# KiCad board solderCurved.kicad_pcb (continued)
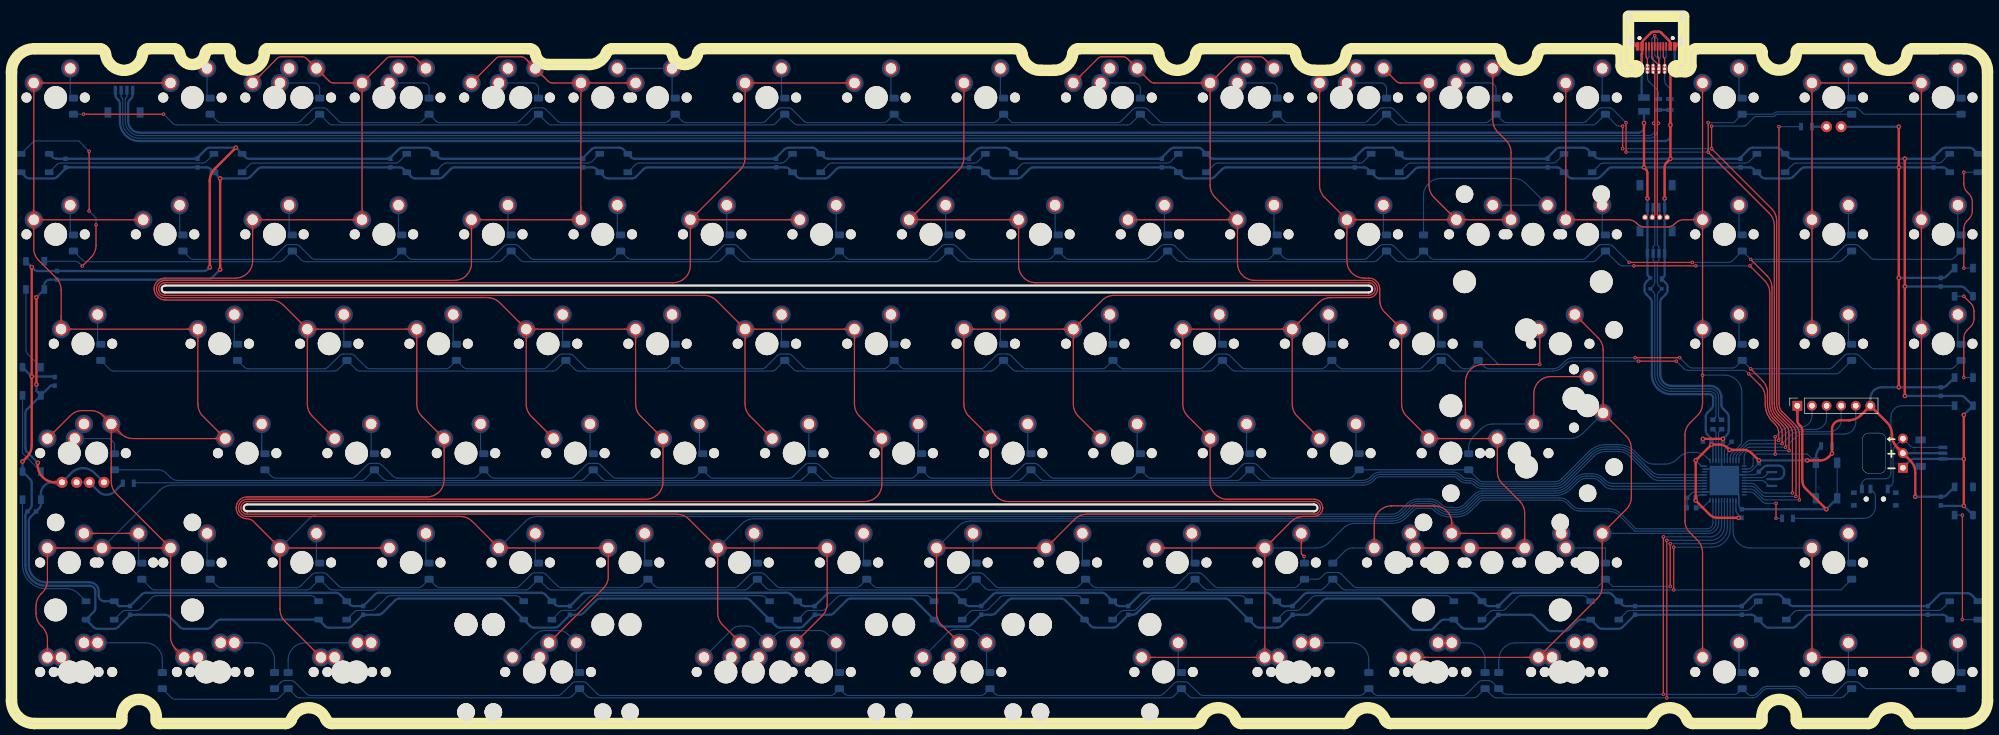
[diagram p0: board, top side]
## Routing (per net, layer and track width the routed paths; a pad name or vN(x,y) marks a point on that pad's centre or on a via; arc(x,y) is an arc through that point) (continued)
Col3: length 775.8
  Top w0.2: MX37.1 MX42.1 ; MX37.1 118.18,79.75 arc(117.3,77.63) 115.18,76.75 26.73,76.75 arc(25.95,76.43) 25.63,75.65 arc(25.95,74.87) 26.73,74.55 120.57,74.55 arc(121.72,74.32) 122.7,73.67 127.7,68.66 ; MX37.1 126.82,96.36 arc(127.47,97.33) 127.7,98.48 MX36.1 MX41.1 ; MX40.1 122.94,19.27 arc(123.17,18.12) 123.82,17.14 MX109.2 ; MX40.1 117.93,35.57 arc(116.96,36.22) 115.81,36.45 41.02,36.45 arc(40.24,36.77) 39.92,37.55 arc(40.24,38.33) 41.02,38.65 148.51,38.65 arc(150.64,39.53) 151.51,41.65 MX44.1 147.63,53.5 arc(146.98,54.47) 146.75,55.62 146.75,68.66 127.7,68.66 ; MX40.1 MX45.1 141.99,20.85 arc(141.76,19.71) 141.11,18.73 MX112.2 ; 127.7,68.66 127.7,55.62 arc(127.93,54.47) 128.58,53.5 MX39.1
  Bottom w0.2: MX40.1 127.15,34.77 arc(128.12,35.42) 129.27,35.65 240.32,35.65 arc(241.39,35.86) 242.3,36.47 243.59,37.76 arc(244.17,38.15) 244.86,38.29 246.91,38.29 arc(247.6,38.15) 248.18,37.76 248.34,37.61 arc(249.24,37) 250.31,36.79 251.53,36.79 arc(252.6,37) 253.51,37.61 255.24,39.34 arc(255.62,39.6) 256.08,39.69 268.68,39.69 arc(270.21,39.99) 271.51,40.86 272.75,42.1 arc(273.4,42.53) 274.17,42.69 275.15,42.69 arc(275.91,42.53) 276.56,42.1 277.26,41.4 arc(277.91,40.96) 278.68,40.81 U2.36 ; 137.23,11.51 MX46.1
Col4: length 536.6
  Top w0.2: 184.85,68.66 165.8,68.66 165.8,55.62 arc(166.03,54.47) 166.68,53.5 MX50.1 170.56,41.65 arc(171.44,39.53) 173.56,38.65 226.77,38.65 arc(227.55,38.33) 227.87,37.55 arc(227.55,36.77) 226.77,36.45 187.22,36.45 arc(186.07,36.22) 185.1,35.57 MX56.1 MX51.1 161.04,19.27 arc(161.27,18.12) 161.92,17.14 MX114.2 ; 184.85,68.66 184.85,55.62 arc(185.08,54.47) 185.73,53.5 MX55.1 ; 184.85,68.66 189.86,73.67 arc(190.83,74.32) 191.98,74.55 236.3,74.55 arc(237.07,74.87) 237.4,75.65 arc(237.07,76.43) 236.3,76.75 178.33,76.75 arc(176.21,77.63) 175.33,79.75 MX53.1 MX48.1 164.92,96.36 arc(165.57,97.33) 165.8,98.48 MX47.1
  Bottom w0.2: U2.32 296.2,34.9 arc(295.91,34.2) 295.2,33.9 282.77,33.9 280.17,36.51 arc(279.2,37.16) 278.05,37.39 273.13,37.39 arc(272.36,37.54) 271.71,37.97 270.98,38.7 arc(270.34,39.13) 269.57,39.29 256.08,39.29 arc(255.78,39.23) 255.52,39.05 253.79,37.32 arc(252.75,36.63) 251.53,36.39 250.31,36.39 arc(249.09,36.63) 248.05,37.32 247.9,37.48 arc(247.45,37.78) 246.91,37.89 244.86,37.89 arc(244.33,37.78) 243.87,37.48 242.58,36.19 arc(241.55,35.49) 240.32,35.25 166.97,35.25 arc(165.82,35.02) 164.85,34.37 MX51.1
Col5: length 390.5
  Top w0.2: MX57.1 198.92,111.53 arc(198.54,111.6) 198.21,111.82 MX52.2 194.23,115.8 arc(193.91,116.01) 193.53,116.09 189.83,116.09 arc(189.45,116.01) 189.12,115.8 MX104.1 ; MX57.1 208.66,93.72 arc(208.89,92.57) 209.54,91.6 MX63.1 ; MX57.1 212.93,115.8 arc(213.26,116.01) 213.64,116.09 217.34,116.09 arc(217.72,116.01) 218.05,115.8 MX105.2 ; MX66.1 MX61.1 ; MX66.1 MX72.1 196.76,11.51 MX115.1 ; MX66.1 222.8,35.17 arc(223.77,35.82) 224.92,36.05 226.77,36.05 arc(227.83,36.49) 228.27,37.55 arc(227.83,38.61) 226.77,39.05 211.66,39.05 arc(209.54,39.93) 208.66,42.05 MX60.1 204.78,53.5 arc(204.13,54.47) 203.9,55.62 203.9,68.66 222.95,68.66 ; MX63.1 213.43,80.15 arc(214.31,78.03) 216.43,77.15 236.3,77.15 arc(237.36,76.71) 237.8,75.65 arc(237.36,74.59) 236.3,74.15 229.68,74.15 arc(228.53,73.92) 227.56,73.27 222.95,68.66 ; MX63.1 MX58.1 ; 222.95,68.66 222.95,55.62 arc(223.18,54.47) 223.83,53.5 MX65.1
  Bottom w0.2: MX66.1 227.16,30.56 arc(228.31,30.79) 229.28,31.44 231.81,33.97 arc(232.78,34.62) 233.93,34.85 240.32,34.85 arc(241.7,35.12) 242.87,35.9 244.16,37.19 arc(244.48,37.41) 244.86,37.49 246.91,37.49 arc(247.29,37.41) 247.62,37.19 247.77,37.04 arc(248.94,36.26) 250.31,35.99 251.53,35.99 arc(252.9,36.26) 254.07,37.04 255.74,38.71 arc(255.94,38.84) 256.17,38.89 269.57,38.89 arc(270.18,38.77) 270.7,38.42 271.43,37.69 arc(272.21,37.17) 273.13,36.99 278.05,36.99 arc(279.04,36.79) 279.89,36.23 282.61,33.5 295.3,33.5 arc(296.29,33.91) 296.7,34.9 U2.31
Col6: length 349.7
  Top w0.2: MX117.1 265.81,11.51 MX83.1 276.05,21.75 arc(276.7,22.72) 276.93,23.87 MX78.2 281.11,37.29 arc(281.76,38.27) 281.99,39.41 281.99,47.91 arc(281.76,49.06) 281.11,50.03 MX81.2 277.09,65.04 arc(276.86,66.19) 276.21,67.16 MX80.2 ; MX106.2 241.07,111.82 arc(241.4,111.6) 241.78,111.53 MX67.1 246.76,93.72 arc(246.99,92.57) 247.64,91.6 MX74.1 ; MX68.1 MX74.1 ; MX68.1 228.59,91.6 arc(227.94,92.57) 227.71,93.72 MX62.1 ; MX68.1 232.48,80.55 arc(233.36,78.43) 235.48,77.55 236.3,77.55 arc(237.64,76.99) 238.2,75.65 238.2,73.71 arc(238.42,72.57) 239.07,71.59 242,68.66 242,55.62 arc(242.23,54.47) 242.88,53.5 MX76.1 258.67,49.61 MX77.1 258.67,43.86 arc(258.9,42.71) 259.55,41.73 262.55,38.73 arc(263.2,37.76) 263.43,36.61 MX119.1 MX71.1 MX70.1 ; MX74.1 MX75.1 261.05,99.43 arc(260.82,100.58) 260.17,101.55 258.76,102.97 arc(258.1,103.94) 257.88,105.09 MX107.2
  Bottom w0.2: MX77.1 271.4,49.61 arc(272.55,49.84) 273.52,50.49 MX81.2 ; U2.30 297.2,34.9 arc(296.67,33.63) 295.4,33.1 MX78.2
Col7: length 171.6
  Top w0.2: MX87.1 294.39,29.79 arc(294.16,30.94) 293.51,31.91 292.2,33.22 arc(291.55,34.19) 291.32,35.34 291.32,50.21 arc(291.55,51.35) 292.2,52.33 293.51,53.64 arc(294.16,54.61) 294.39,55.76 v1(294.39,60.65) MX85.1 ; MX85.1 291.12,87.71 arc(290.35,87.56) 289.7,87.13 289.6,87.03 arc(288.96,86.6) 288.19,86.44 284.41,86.44 arc(283.64,86.6) 282.99,87.03 282.89,87.13 arc(282.25,87.56) 281.48,87.71 MX82.1 MX73.1 ; MX85.1 MX84.1
  Bottom w0.2: U2.8 299.2,46.33 arc(299.28,46.71) 299.49,47.04 300.93,48.48 arc(301.15,48.8) 301.23,49.18 301.23,57.65 arc(300.35,59.77) 298.23,60.65 v1(294.39,60.65)
Col8: length 220.8
  Top w0.2: MX91.1 MX92.1 MX96.1 MX94.1 MX93.1 MX88.1 MX89.1 313.44,68.66
  Bottom w0.2: MX91.1 302.7,30.56 arc(300.58,31.44) 299.7,33.56 U2.25
D+: length 5.7
  Bottom w0.2: U2.4 297.17,45.77 297.17,50.71 R4.1
D-: length 5.7
  Bottom w0.2: U2.3 296.72,45.77 296.72,50.71 R5.1
DG+: length 362.3
  Top w0.2: J5.3 286.52,88.55 286.52,104.32 v1(286.72,104.52) 286.52,104.72 286.52,113.11 J8.4 ; USB2.8 285.56,115.92 arc(285.58,115.83) 285.63,115.75 J8.4 286.79,115.79 arc(286.77,115.89) 286.72,115.97 286.63,116.06 arc(286.58,116.14) 286.56,116.23 USB2.6
  Bottom w0.2: 286.79,115.6 286.13,116.26 arc(286.08,116.34) 286.06,116.43 USB1.6 ; 286.79,115.6 J8.4 ; 286.79,115.6 286.99,115.79 arc(287.04,115.87) 287.06,115.97 USB1.8 ; 286.93,89.73 J5.3 286.52,87.73 286.52,83.3 286.79,83.02 J1.3 286.79,80.7 286.52,80.42 286.52,76.88 arc(286.59,76.49) 286.81,76.17 U3.2 286.81,75.2 arc(286.59,74.88) 286.52,74.5 286.52,60.79 arc(287.25,59.02) 289.02,58.29 295.67,58.29 arc(296.73,57.85) 297.17,56.79 297.17,53.41 R4.2 ; J9.3 19.09,109.2 arc(19.11,109.11) 19.17,109.03 19.29,108.9 arc(19.35,108.82) 19.37,108.72 19.37,104.82 arc(20.22,102.77) 22.27,101.92 285.12,101.92 arc(286.11,102.33) 286.52,103.32 286.52,104.32 v1(286.72,104.52)
DG-: length 357
  Top w0.2: J5.2 286.07,88.55 286.07,104.32 v1(285.87,104.52) 286.07,104.72 286.07,113.11 J8.3 ; USB2.7 v1(286.06,119.75)
  Bottom w0.2: J9.2 20.09,109.2 arc(20.07,109.11) 20.02,109.03 19.89,108.9 arc(19.84,108.82) 19.82,108.72 19.82,104.87 arc(20.55,103.1) 22.32,102.37 285.07,102.37 arc(285.78,102.66) 286.07,103.37 286.07,104.32 v1(285.87,104.52) ; J8.3 285.79,115.93 arc(285.77,116.02) 285.72,116.1 285.63,116.19 arc(285.58,116.27) 285.56,116.37 USB1.5 285.56,119.14 arc(285.58,119.24) 285.63,119.32 v1(286.06,119.75) 286.49,119.32 arc(286.54,119.24) 286.56,119.14 USB1.7 ; R5.2 296.72,53.41 296.72,56.74 arc(296.4,57.51) 295.62,57.84 288.97,57.84 arc(286.92,58.69) 286.07,60.74 286.07,74.5 arc(285.99,74.88) 285.78,75.2 U3.3 285.78,76.17 arc(285.99,76.49) 286.07,76.88 286.07,80.42 285.79,80.7 J1.2 285.79,83.02 286.07,83.3 286.07,87.73 J5.2 285.66,89.73
indicator1: length 80.4
  Top w0.2: v1(311.25,38.93) 311.25,50.46 arc(311.09,51.23) 310.66,51.88 308.28,54.26 arc(307.84,54.91) 307.69,55.68 v1(307.69,103.93)
  Bottom w0.2: v1(311.25,38.93) 305.47,38.93 arc(305.09,39.01) 304.76,39.23 303.47,40.52 arc(303.14,40.74) 302.76,40.81 U2.20 ; v1(307.69,103.93) R2.2
indicator2: length 278.8
  Bottom w0.2: U2.40 286.87,42.81 arc(286.1,42.96) 285.45,43.4 282.09,46.77 arc(280.98,47.5) 279.68,47.76 277.56,47.76 arc(276.26,47.5) 275.15,46.77 270.38,41.99 arc(269.6,41.47) 268.68,41.29 256.17,41.29 arc(255.49,41.42) 254.9,41.81 254.84,41.88 arc(254.39,42.18) 253.85,42.29 253.26,42.29 arc(252.73,42.39) 252.27,42.7 252.01,42.96 arc(251.55,43.27) 251.02,43.37 238.28,43.37 arc(237.67,43.25) 237.15,42.91 236.86,42.61 arc(236.08,42.09) 235.16,41.91 21.29,41.91
LedBar: length 17.3
  Bottom w0.2: 336.23,48.07 331.23,48.07 arc(330.85,48.15) 330.52,48.37 J4.3 327.87,48.21 arc(327.66,47.89) 327.58,47.51 327.58,42.21 arc(327.5,41.82) 327.29,41.5 SW2.1
MISO: length 382.2
  Top w0.2: v1(302.63,79.69) 305.21,77.1 arc(305.86,76.13) 306.09,74.98 306.09,55.68 arc(306.36,54.3) 307.15,53.13 308.26,52.01 arc(308.69,51.37) 308.85,50.6 v1(308.85,48.11) ; v1(282.43,79.69) v1(293.23,79.69)
  Bottom w0.2: U2.11 300.7,46.13 arc(300.78,46.51) 300.99,46.84 301.97,47.82 arc(302.3,48.04) 302.68,48.11 v1(308.85,48.11) 310.55,49.81 arc(311.2,50.25) 311.96,50.4 319.06,50.4 arc(320.47,50.99) 321.06,52.4 J10.5 ; D83.1 318.78,80.7 arc(318.45,80.49) 318.07,80.41 303.76,80.41 arc(303.38,80.34) 303.05,80.12 v1(302.63,79.69) v1(293.23,79.69) ; D2.1 12.36,80.7 arc(12.68,80.49) 13.06,80.41 46.61,80.41 arc(46.99,80.49) 47.32,80.7 D14.1 50.46,80.7 arc(50.78,80.49) 51.16,80.41 84.71,80.41 arc(85.09,80.49) 85.42,80.7 D25.1 88.56,80.7 arc(88.88,80.49) 89.26,80.41 122.81,80.41 arc(123.19,80.49) 123.52,80.7 D35.1 126.66,80.7 arc(126.98,80.49) 127.36,80.41 160.91,80.41 arc(161.29,80.49) 161.62,80.7 D46.1 164.76,80.7 arc(165.08,80.49) 165.46,80.41 199.01,80.41 arc(199.39,80.49) 199.72,80.7 D56.1 202.86,80.7 arc(203.18,80.49) 203.56,80.41 237.11,80.41 arc(237.49,80.49) 237.82,80.7 D66.1 240.96,80.7 arc(241.28,80.49) 241.66,80.41 275.21,80.41 arc(275.59,80.49) 275.92,80.7 D76.1 279.78,79.98 arc(280.1,79.77) 280.48,79.69 v1(282.43,79.69)
MOSI: length 363.4
  Top w0.2: v1(302.76,61.76) 304.81,59.71 arc(305.46,58.74) 305.69,57.59 305.69,55.68 arc(306,54.15) 306.86,52.85 307.66,52.05 arc(308.09,51.4) 308.25,50.63 v1(308.25,48.71) ; v1(282.66,63.69) v1(290.43,63.69)
  Bottom w0.2: D89.1 338.23,62.05 arc(337.9,61.84) 337.52,61.76 324.35,61.76 arc(323.97,61.84) 323.65,62.05 321.66,64.05 arc(321.33,64.26) 320.95,64.34 319.75,64.34 arc(319.36,64.26) 319.04,64.05 317.05,62.05 arc(316.72,61.84) 316.34,61.76 v1(302.76,61.76) D80.1 300.26,62.18 arc(299.93,61.97) 299.55,61.89 292.64,61.89 arc(292.26,61.97) 291.93,62.18 v1(290.43,63.69) ; J10.4 318.52,52.8 arc(317.93,51.39) 316.52,50.8 311.16,50.8 arc(310.4,50.65) 309.75,50.21 v1(308.25,48.71) 302.71,48.71 arc(302.33,48.64) 302.01,48.42 300.49,46.9 arc(300.28,46.58) 300.2,46.2 U2.10 ; D9.1 40.53,62.05 arc(40.85,61.84) 41.24,61.76 54.4,61.76 arc(54.79,61.84) 55.11,62.05 57.1,64.05 arc(57.43,64.26) 57.81,64.34 59.01,64.34 arc(59.39,64.26) 59.72,64.05 61.71,62.05 arc(62.03,61.84) 62.42,61.76 75.58,61.76 arc(75.97,61.84) 76.29,62.05 D21.1 78.63,62.05 arc(78.95,61.84) 79.34,61.76 92.5,61.76 arc(92.89,61.84) 93.21,62.05 95.2,64.05 arc(95.53,64.26) 95.91,64.34 97.11,64.34 arc(97.49,64.26) 97.82,64.05 99.81,62.05 arc(100.13,61.84) 100.52,61.76 113.68,61.76 arc(114.07,61.84) 114.39,62.05 D31.1 116.73,62.05 arc(117.05,61.84) 117.44,61.76 130.6,61.76 arc(130.99,61.84) 131.31,62.05 133.3,64.05 arc(133.63,64.26) 134.01,64.34 135.21,64.34 arc(135.59,64.26) 135.92,64.05 137.91,62.05 arc(138.23,61.84) 138.62,61.76 151.78,61.76 arc(152.17,61.84) 152.49,62.05 D41.1 154.83,62.05 arc(155.15,61.84) 155.54,61.76 168.7,61.76 arc(169.09,61.84) 169.41,62.05 171.4,64.05 arc(171.73,64.26) 172.11,64.34 173.31,64.34 arc(173.69,64.26) 174.02,64.05 176.01,62.05 arc(176.33,61.84) 176.72,61.76 189.88,61.76 arc(190.27,61.84) 190.59,62.05 D52.1 192.93,62.05 arc(193.25,61.84) 193.64,61.76 206.8,61.76 arc(207.19,61.84) 207.51,62.05 209.5,64.05 arc(209.83,64.26) 210.21,64.34 211.41,64.34 arc(211.79,64.26) 212.12,64.05 214.11,62.05 arc(214.43,61.84) 214.82,61.76 227.98,61.76 arc(228.37,61.84) 228.69,62.05 D62.1 231.03,62.05 arc(231.35,61.84) 231.74,61.76 244.9,61.76 arc(245.29,61.84) 245.61,62.05 247.6,64.05 arc(247.93,64.26) 248.31,64.34 249.51,64.34 arc(249.89,64.26) 250.22,64.05 252.21,62.05 arc(252.53,61.84) 252.92,61.76 253.46,61.76 arc(253.84,61.84) 254.17,62.05 D72.1 256.51,62.05 arc(256.83,61.84) 257.21,61.76 268.3,61.76 arc(269.07,61.91) 269.72,62.35 270.47,63.1 arc(271.12,63.54) 271.89,63.69 v1(282.66,63.69)
R0: length 403.8
  Top w0.2: v1(310.65,39.53) 310.65,50.5 arc(310.49,51.26) 310.06,51.91 307.99,53.98 arc(307.47,54.76) 307.29,55.68 307.29,87.52 arc(307.06,88.66) 306.41,89.64 v1(295.96,100.08) v1(295.96,104.02) ; v1(12.54,106.09) v1(26.49,106.09) ; v1(280.48,104.02) v1(280.48,100.08)
  Bottom w0.2: v1(280.48,100.08) v1(295.96,100.08) ; v1(280.48,104.02) 279.76,104.02 arc(279.56,104.06) 279.4,104.17 D70.1 275.92,104.52 arc(275.59,104.3) 275.21,104.22 241.66,104.22 arc(241.28,104.3) 240.96,104.52 D60.1 237.82,104.52 arc(237.49,104.3) 237.11,104.22 198.8,104.22 arc(198.42,104.3) 198.09,104.52 D50.1 194.95,104.52 arc(194.63,104.3) 194.25,104.22 136.89,104.22 arc(136.5,104.3) 136.18,104.52 D34.1 133.04,104.52 arc(132.72,104.3) 132.33,104.22 94.02,104.22 arc(93.64,104.3) 93.32,104.52 D24.1 90.18,104.52 arc(89.85,104.3) 89.47,104.22 55.92,104.22 arc(55.54,104.3) 55.22,104.52 D13.1 52.08,104.52 arc(51.75,104.3) 51.37,104.22 28.76,104.22 arc(28.38,104.3) 28.06,104.52 v1(26.49,106.09) ; D82.1 307.48,106.09 arc(307.29,106.05) 307.13,105.94 307.02,105.83 arc(306.86,105.73) 306.67,105.69 303.71,105.69 arc(303.51,105.65) 303.35,105.54 301.98,104.17 arc(301.82,104.06) 301.63,104.02 v1(295.96,104.02) ; v1(310.65,39.53) 305.44,39.53 arc(305.05,39.61) 304.73,39.83 303.53,41.02 arc(303.21,41.24) 302.83,41.31 U2.19 ; D1.1 v1(12.54,106.09)
R1: length 409.8
  Top w0.2: v1(295.36,104.62) v1(295.36,99.48) 306.01,88.84 arc(306.66,87.86) 306.89,86.72 306.89,55.68 arc(307.1,54.6) 307.71,53.7 309.46,51.95 arc(309.89,51.3) 310.05,50.53 v1(310.05,40.13) ; v1(281.08,104.62) v1(281.08,99.48)
  Bottom w0.2: v1(281.08,104.62) 278.79,106.91 arc(278.47,107.12) 278.09,107.2 276.88,107.2 arc(276.5,107.12) 276.18,106.91 274.19,104.92 arc(273.86,104.7) 273.48,104.62 260.31,104.62 arc(259.93,104.7) 259.61,104.92 D65.1 257.27,104.92 arc(256.94,104.7) 256.56,104.62 243.39,104.62 arc(243.01,104.7) 242.68,104.92 240.69,106.91 arc(240.37,107.12) 239.99,107.2 238.78,107.2 arc(238.4,107.12) 238.08,106.91 236.09,104.92 arc(235.76,104.7) 235.38,104.62 222.21,104.62 arc(221.83,104.7) 221.51,104.92 D55.1 219.17,104.92 arc(218.84,104.7) 218.46,104.62 200.53,104.62 arc(200.15,104.7) 199.82,104.92 197.83,106.91 arc(197.51,107.12) 197.12,107.2 195.92,107.2 arc(195.54,107.12) 195.21,106.91 193.22,104.92 arc(192.9,104.7) 192.52,104.62 174.17,104.62 D45.1 171.54,104.92 arc(171.22,104.7) 170.83,104.62 155.54,104.62 arc(155.15,104.7) 154.83,104.92 D39.1 152.49,104.92 arc(152.17,104.7) 151.78,104.62 138.62,104.62 arc(138.23,104.7) 137.91,104.92 135.92,106.91 arc(135.59,107.12) 135.21,107.2 134.01,107.2 arc(133.63,107.12) 133.3,106.91 131.31,104.92 arc(130.99,104.7) 130.6,104.62 117.44,104.62 arc(117.05,104.7) 116.73,104.92 D29.1 114.39,104.92 arc(114.07,104.7) 113.68,104.62 95.75,104.62 arc(95.37,104.7) 95.05,104.92 93.06,106.91 arc(92.73,107.12) 92.35,107.2 91.15,107.2 arc(90.76,107.12) 90.44,106.91 88.45,104.92 arc(88.12,104.7) 87.74,104.62 74.57,104.62 arc(74.19,104.7) 73.87,104.92 D19.1 71.53,104.92 arc(71.2,104.7) 70.82,104.62 57.65,104.62 arc(57.27,104.7) 56.95,104.92 54.96,106.91 arc(54.63,107.12) 54.25,107.2 53.05,107.2 arc(52.66,107.12) 52.34,106.91 50.35,104.92 arc(50.02,104.7) 49.64,104.62 36.47,104.62 arc(36.09,104.7) 35.77,104.92 D7.1 ; v1(295.36,104.62) 299.63,104.62 arc(299.82,104.66) 299.98,104.77 D78.1 306.5,106.09 arc(306.69,106.13) 306.85,106.23 306.96,106.34 arc(307.12,106.45) 307.32,106.49 318.41,106.49 arc(318.6,106.53) 318.77,106.63 319.19,107.05 arc(319.35,107.16) 319.54,107.2 321.16,107.2 arc(321.35,107.16) 321.51,107.05 322.33,106.23 arc(322.49,106.13) 322.68,106.09 D87.1 ; v1(295.36,99.48) v1(281.08,99.48) ; v1(310.05,40.13) 305.4,40.13 arc(305.02,40.21) 304.69,40.43 303.6,41.52 arc(303.28,41.74) 302.89,41.81 U2.18
R3: length 380.6
  Top w0.2: v1(309.45,47.51) 309.45,50.57 arc(309.29,51.33) 308.86,51.98 307.43,53.41 arc(306.73,54.45) 306.49,55.68 306.49,75.84 arc(306.26,76.99) 305.61,77.96 v1(302.76,80.81) ; v1(292.63,80.29) v1(281.6,80.29)
  Bottom w0.2: D8.1 31.01,81.1 arc(31.33,80.89) 31.71,80.81 44.88,80.81 arc(45.26,80.89) 45.59,81.1 47.58,83.1 arc(47.9,83.31) 48.28,83.39 49.49,83.39 arc(49.87,83.31) 50.19,83.1 52.18,81.1 arc(52.51,80.89) 52.89,80.81 66.06,80.81 arc(66.44,80.89) 66.77,81.1 D20.1 69.11,81.1 arc(69.43,80.89) 69.81,80.81 82.98,80.81 arc(83.36,80.89) 83.69,81.1 85.68,83.1 arc(86,83.31) 86.38,83.39 87.59,83.39 arc(87.97,83.31) 88.29,83.1 90.28,81.1 arc(90.61,80.89) 90.99,80.81 104.16,80.81 arc(104.54,80.89) 104.87,81.1 D30.1 107.21,81.1 arc(107.53,80.89) 107.91,80.81 121.08,80.81 arc(121.46,80.89) 121.79,81.1 123.78,83.1 arc(124.1,83.31) 124.48,83.39 125.69,83.39 arc(126.07,83.31) 126.39,83.1 128.38,81.1 arc(128.71,80.89) 129.09,80.81 142.26,80.81 arc(142.64,80.89) 142.97,81.1 D40.1 145.31,81.1 arc(145.63,80.89) 146.01,80.81 159.18,80.81 arc(159.56,80.89) 159.89,81.1 161.88,83.1 arc(162.2,83.31) 162.58,83.39 163.79,83.39 arc(164.17,83.31) 164.49,83.1 166.48,81.1 arc(166.81,80.89) 167.19,80.81 180.36,80.81 arc(180.74,80.89) 181.07,81.1 D51.1 183.41,81.1 arc(183.73,80.89) 184.11,80.81 197.28,80.81 arc(197.66,80.89) 197.99,81.1 199.98,83.1 arc(200.3,83.31) 200.68,83.39 201.89,83.39 arc(202.27,83.31) 202.59,83.1 204.58,81.1 arc(204.91,80.89) 205.29,80.81 218.46,80.81 arc(218.84,80.89) 219.17,81.1 D61.1 221.51,81.1 arc(221.83,80.89) 222.21,80.81 235.38,80.81 arc(235.76,80.89) 236.09,81.1 238.08,83.1 arc(238.4,83.31) 238.78,83.39 239.99,83.39 arc(240.37,83.31) 240.69,83.1 242.68,81.1 arc(243.01,80.89) 243.39,80.81 243.93,80.81 arc(244.32,80.89) 244.64,81.1 D71.1 246.98,81.1 arc(247.31,80.89) 247.69,80.81 273.45,80.81 arc(273.83,80.89) 274.16,81.1 276.16,83.11 arc(276.49,83.33) 276.87,83.4 278.07,83.4 arc(278.46,83.33) 278.78,83.11 v1(281.6,80.29) ; D88.1 338.23,81.1 arc(337.9,80.89) 337.52,80.81 324.35,80.81 arc(323.97,80.89) 323.65,81.1 321.66,83.1 arc(321.33,83.31) 320.95,83.39 319.75,83.39 arc(319.36,83.31) 319.04,83.1 317.05,81.1 arc(316.72,80.89) 316.34,80.81 v1(302.76,80.81) D79.1 299.61,80.58 arc(299.28,80.37) 298.9,80.29 v1(292.63,80.29) ; v1(309.45,47.51) 302.65,47.51 arc(302.26,47.44) 301.94,47.22 301.93,47.21 arc(301.71,46.89) 301.64,46.5 U2.12
R6: length 289.9
  Bottom w0.2: D4.1 25.51,44.17 arc(26.27,44.02) 26.92,43.59 27.61,42.9 arc(28.26,42.46) 29.03,42.31 60.9,42.31 arc(61.28,42.39) 61.6,42.6 D16.1 64.74,42.6 arc(65.07,42.39) 65.45,42.31 99,42.31 arc(99.38,42.39) 99.7,42.6 D27.1 102.84,42.6 arc(103.17,42.39) 103.55,42.31 137.1,42.31 arc(137.48,42.39) 137.8,42.6 D37.1 140.94,42.6 arc(141.27,42.39) 141.65,42.31 175.2,42.31 arc(175.58,42.39) 175.9,42.6 D48.1 179.04,42.6 arc(179.37,42.39) 179.75,42.31 213.3,42.31 arc(213.68,42.39) 214,42.6 D58.1 217.14,42.6 arc(217.47,42.39) 217.85,42.31 235.16,42.31 arc(235.93,42.46) 236.58,42.9 236.87,43.19 arc(237.52,43.62) 238.28,43.77 251.02,43.77 arc(251.7,43.64) 252.29,43.25 252.56,42.98 arc(252.88,42.76) 253.26,42.69 253.85,42.69 arc(254.54,42.55) 255.12,42.16 255.18,42.1 arc(255.64,41.79) 256.17,41.69 268.68,41.69 arc(269.45,41.84) 270.09,42.27 274.87,47.05 arc(276.1,47.87) 277.56,48.16 279.68,48.16 arc(281.14,47.87) 282.37,47.05 285.52,43.9 arc(286.17,43.46) 286.93,43.31 U2.41
R7: length 272.4
  Bottom w0.2: D10.1 45.29,43 arc(45.62,42.79) 46,42.71 59.17,42.71 arc(59.55,42.79) 59.87,43 61.86,45 arc(62.19,45.21) 62.57,45.29 63.77,45.29 arc(64.16,45.21) 64.48,45 66.47,43 arc(66.8,42.79) 67.18,42.71 80.35,42.71 arc(80.73,42.79) 81.05,43 D22.1 83.39,43 arc(83.72,42.79) 84.1,42.71 97.27,42.71 arc(97.65,42.79) 97.97,43 99.96,45 arc(100.29,45.21) 100.67,45.29 101.87,45.29 arc(102.26,45.21) 102.58,45 104.57,43 arc(104.9,42.79) 105.28,42.71 118.45,42.71 arc(118.83,42.79) 119.15,43 D32.1 121.49,43 arc(121.82,42.79) 122.2,42.71 135.37,42.71 arc(135.75,42.79) 136.07,43 138.06,45 arc(138.39,45.21) 138.77,45.29 139.97,45.29 arc(140.36,45.21) 140.68,45 142.67,43 arc(143,42.79) 143.38,42.71 156.55,42.71 arc(156.93,42.79) 157.25,43 D42.1 159.59,43 arc(159.92,42.79) 160.3,42.71 173.47,42.71 arc(173.85,42.79) 174.17,43 176.16,45 arc(176.49,45.21) 176.87,45.29 178.07,45.29 arc(178.46,45.21) 178.78,45 180.77,43 arc(181.1,42.79) 181.48,42.71 194.65,42.71 arc(195.03,42.79) 195.35,43 D53.1 197.69,43 arc(198.02,42.79) 198.4,42.71 211.57,42.71 arc(211.95,42.79) 212.27,43 214.26,45 arc(214.59,45.21) 214.97,45.29 216.17,45.29 arc(216.56,45.21) 216.88,45 218.87,43 arc(219.2,42.79) 219.58,42.71 232.75,42.71 arc(233.13,42.79) 233.45,43 D63.1 D73.1 255.47,42.38 arc(255.79,42.16) 256.17,42.09 268.68,42.09 arc(269.29,42.21) 269.81,42.56 274.59,47.33 arc(275.95,48.24) 277.56,48.56 279.68,48.56 arc(281.29,48.24) 282.65,47.33 283.94,46.04 arc(284.92,45.39) 286.06,45.16 287.84,45.16 arc(288.98,45.39) 289.96,46.04 290.25,46.33 arc(291.22,46.98) 292.37,47.21 292.99,47.21 arc(294.14,46.98) 295.12,46.33 U2.1
R8: length 332
  Top w0.2: v1(289.37,30.7) v1(289.37,23.26)
  Bottom w0.2: D85.1 318.49,23.26 v1(289.37,23.26) 232.3,23.26 arc(231.92,23.34) 231.6,23.55 D68.1 228.46,23.55 arc(228.13,23.34) 227.75,23.26 208.32,23.26 arc(207.94,23.34) 207.62,23.55 D59.1 204.48,23.55 arc(204.15,23.34) 203.77,23.26 170.22,23.26 arc(169.84,23.34) 169.52,23.55 D49.1 166.38,23.55 arc(166.05,23.34) 165.67,23.26 132.12,23.26 arc(131.74,23.34) 131.42,23.55 D38.1 128.28,23.55 arc(127.95,23.34) 127.57,23.26 94.02,23.26 arc(93.64,23.34) 93.32,23.55 D28.1 90.18,23.55 arc(89.85,23.34) 89.47,23.26 55.92,23.26 arc(55.54,23.34) 55.22,23.55 D17.1 52.08,23.55 arc(51.75,23.34) 51.37,23.26 24.97,23.26 arc(24.59,23.34) 24.26,23.55 D5.1 ; v1(289.37,30.7) 296,30.7 arc(298.26,31.64) 299.2,33.9 U2.26
R9: length 295.9
  Top w0.2: v1(288.77,31.3) 288.77,23.8
  Bottom w0.2: v1(288.77,31.3) 295.9,31.3 arc(297.88,32.12) 298.7,34.1 U2.27 ; v1(288.77,23.86) 278.75,23.86 D74.1 276.02,23.66 234.27,23.66 arc(233.89,23.74) 233.56,23.95 231.52,26 arc(231.19,26.21) 230.81,26.29 229.24,26.29 arc(228.86,26.21) 228.53,26 227.95,25.42 arc(227.63,25.2) 227.25,25.12 D64.1 223.93,23.95 arc(223.6,23.74) 223.22,23.66 210.05,23.66 arc(209.67,23.74) 209.35,23.95 207.36,25.95 arc(207.03,26.16) 206.65,26.24 205.45,26.24 arc(205.06,26.16) 204.74,25.95 202.75,23.95 arc(202.42,23.74) 202.04,23.66 188.87,23.66 arc(188.49,23.74) 188.17,23.95 D54.1 185.83,23.95 arc(185.5,23.74) 185.12,23.66 171.95,23.66 arc(171.57,23.74) 171.25,23.95 169.26,25.95 arc(168.93,26.16) 168.55,26.24 167.35,26.24 arc(166.96,26.16) 166.64,25.95 164.65,23.95 arc(164.32,23.74) 163.94,23.66 150.77,23.66 arc(150.39,23.74) 150.07,23.95 D43.1 147.73,23.95 arc(147.4,23.74) 147.02,23.66 133.85,23.66 arc(133.47,23.74) 133.15,23.95 131.16,25.95 arc(130.83,26.16) 130.45,26.24 129.25,26.24 arc(128.86,26.16) 128.54,25.95 126.55,23.95 arc(126.22,23.74) 125.84,23.66 112.67,23.66 arc(112.29,23.74) 111.97,23.95 D33.1 109.63,23.95 arc(109.3,23.74) 108.92,23.66 95.75,23.66 arc(95.37,23.74) 95.05,23.95 93.06,25.95 arc(92.73,26.16) 92.35,26.24 91.15,26.24 arc(90.76,26.16) 90.44,25.95 88.45,23.95 arc(88.12,23.74) 87.74,23.66 74.57,23.66 arc(74.19,23.74) 73.87,23.95 D23.1 71.53,23.95 arc(71.2,23.74) 70.82,23.66 57.65,23.66 arc(57.27,23.74) 56.95,23.95 54.96,25.95 arc(54.63,26.16) 54.25,26.24 53.05,26.24 arc(52.66,26.16) 52.34,25.95 50.35,23.95 arc(50.02,23.74) 49.64,23.66 36.47,23.66 arc(36.09,23.74) 35.77,23.95 D11.1
R10: length 344.6
  Top w0.2: v1(288.17,31.9) v1(288.17,4.47)
  Bottom w0.2: 26.26,6.07 27.83,4.5 arc(28.16,4.29) 28.54,4.21 45.89,4.21 arc(46.27,4.29) 46.6,4.5 48.17,6.07 49.47,4.77 arc(49.8,4.55) 50.18,4.47 96.88,4.47 arc(97.26,4.55) 97.58,4.77 D92.1 100.2,4.77 arc(100.52,4.55) 100.91,4.47 201.65,4.47 arc(202.03,4.55) 202.36,4.77 202.96,5.37 arc(203.66,5.66) 204.37,5.37 204.97,4.77 arc(205.3,4.55) 205.68,4.47 254.51,4.47 arc(254.9,4.55) 255.22,4.77 256.53,6.07 257.83,4.77 arc(258.16,4.55) 258.54,4.47 v1(288.17,4.47) 303.08,4.47 arc(303.62,4.58) 304.07,4.88 304.97,5.78 arc(305.3,6) 305.68,6.07 310.45,6.07 arc(310.83,6) 311.16,5.78 312.46,4.47 318.33,4.47 arc(318.72,4.55) 319.04,4.77 320.35,6.07 ; v1(288.17,31.9) 295.8,31.9 arc(297.5,32.61) 298.2,34.3 U2.28
R11: length 349.8
  Top w0.2: v1(287.57,5.07) v1(287.57,32.5)
  Bottom w0.2: 45.79,6.07 46.89,7.18 arc(47.22,7.4) 47.6,7.47 48.65,7.47 arc(49.03,7.4) 49.36,7.18 51.37,5.17 arc(51.7,4.95) 52.08,4.87 95.05,4.87 arc(95.43,4.95) 95.76,5.17 97.57,6.98 arc(97.9,7.2) 98.28,7.27 99.45,7.27 arc(99.83,7.2) 100.16,6.98 101.97,5.17 arc(102.3,4.95) 102.68,4.87 142.52,4.87 arc(142.9,4.95) 143.23,5.17 144.14,6.07 145.04,5.17 arc(145.37,4.95) 145.75,4.87 168.72,4.87 arc(169.1,4.95) 169.42,5.17 D93.1 171.24,5.17 arc(171.56,4.95) 171.94,4.87 199.85,4.87 arc(200.23,4.95) 200.56,5.17 202.37,6.98 arc(202.7,7.2) 203.08,7.27 204.25,7.27 arc(204.63,7.2) 204.96,6.98 206.77,5.17 arc(207.1,4.95) 207.48,4.87 234.67,4.87 arc(235.06,4.95) 235.38,5.17 236.29,6.07 237.19,5.17 arc(237.52,4.95) 237.9,4.87 252.65,4.87 arc(253.03,4.95) 253.36,5.17 255.37,7.18 arc(255.7,7.4) 256.08,7.47 257.09,7.47 arc(257.48,7.4) 257.8,7.18 259.62,5.37 arc(259.94,5.15) 260.32,5.07 v1(287.57,5.07) 299.88,5.07 arc(300.27,5.15) 300.59,5.37 301.3,6.07 302.21,5.17 arc(302.53,4.95) 302.91,4.87 303.08,4.87 arc(303.47,4.95) 303.79,5.17 304.69,6.06 arc(305.14,6.37) 305.68,6.47 310.45,6.47 arc(310.99,6.37) 311.44,6.06 312.63,4.87 317.06,4.87 319.17,6.98 arc(319.5,7.2) 319.88,7.27 321.05,7.27 arc(321.43,7.2) 321.76,6.98 322.37,6.37 arc(322.7,6.15) 323.08,6.07 339.4,6.07 ; v1(287.57,32.5) 295.7,32.5 arc(297.11,33.09) 297.7,34.5 U2.29